# Altium PCB FOC_CONTROL_BOARD_v5.PcbDoc (part 1 of 2)
Units mm, origin at the board's own origin, x right, y up, seen from the top; angles counter-clockwise.
Board outline 94 x 100 mm, 4 copper layers (Top Layer, GND, VCC, Bottom Layer), stack 0.568 mm thick; 137 components, 99 nets, 473 pads, 547 vias.
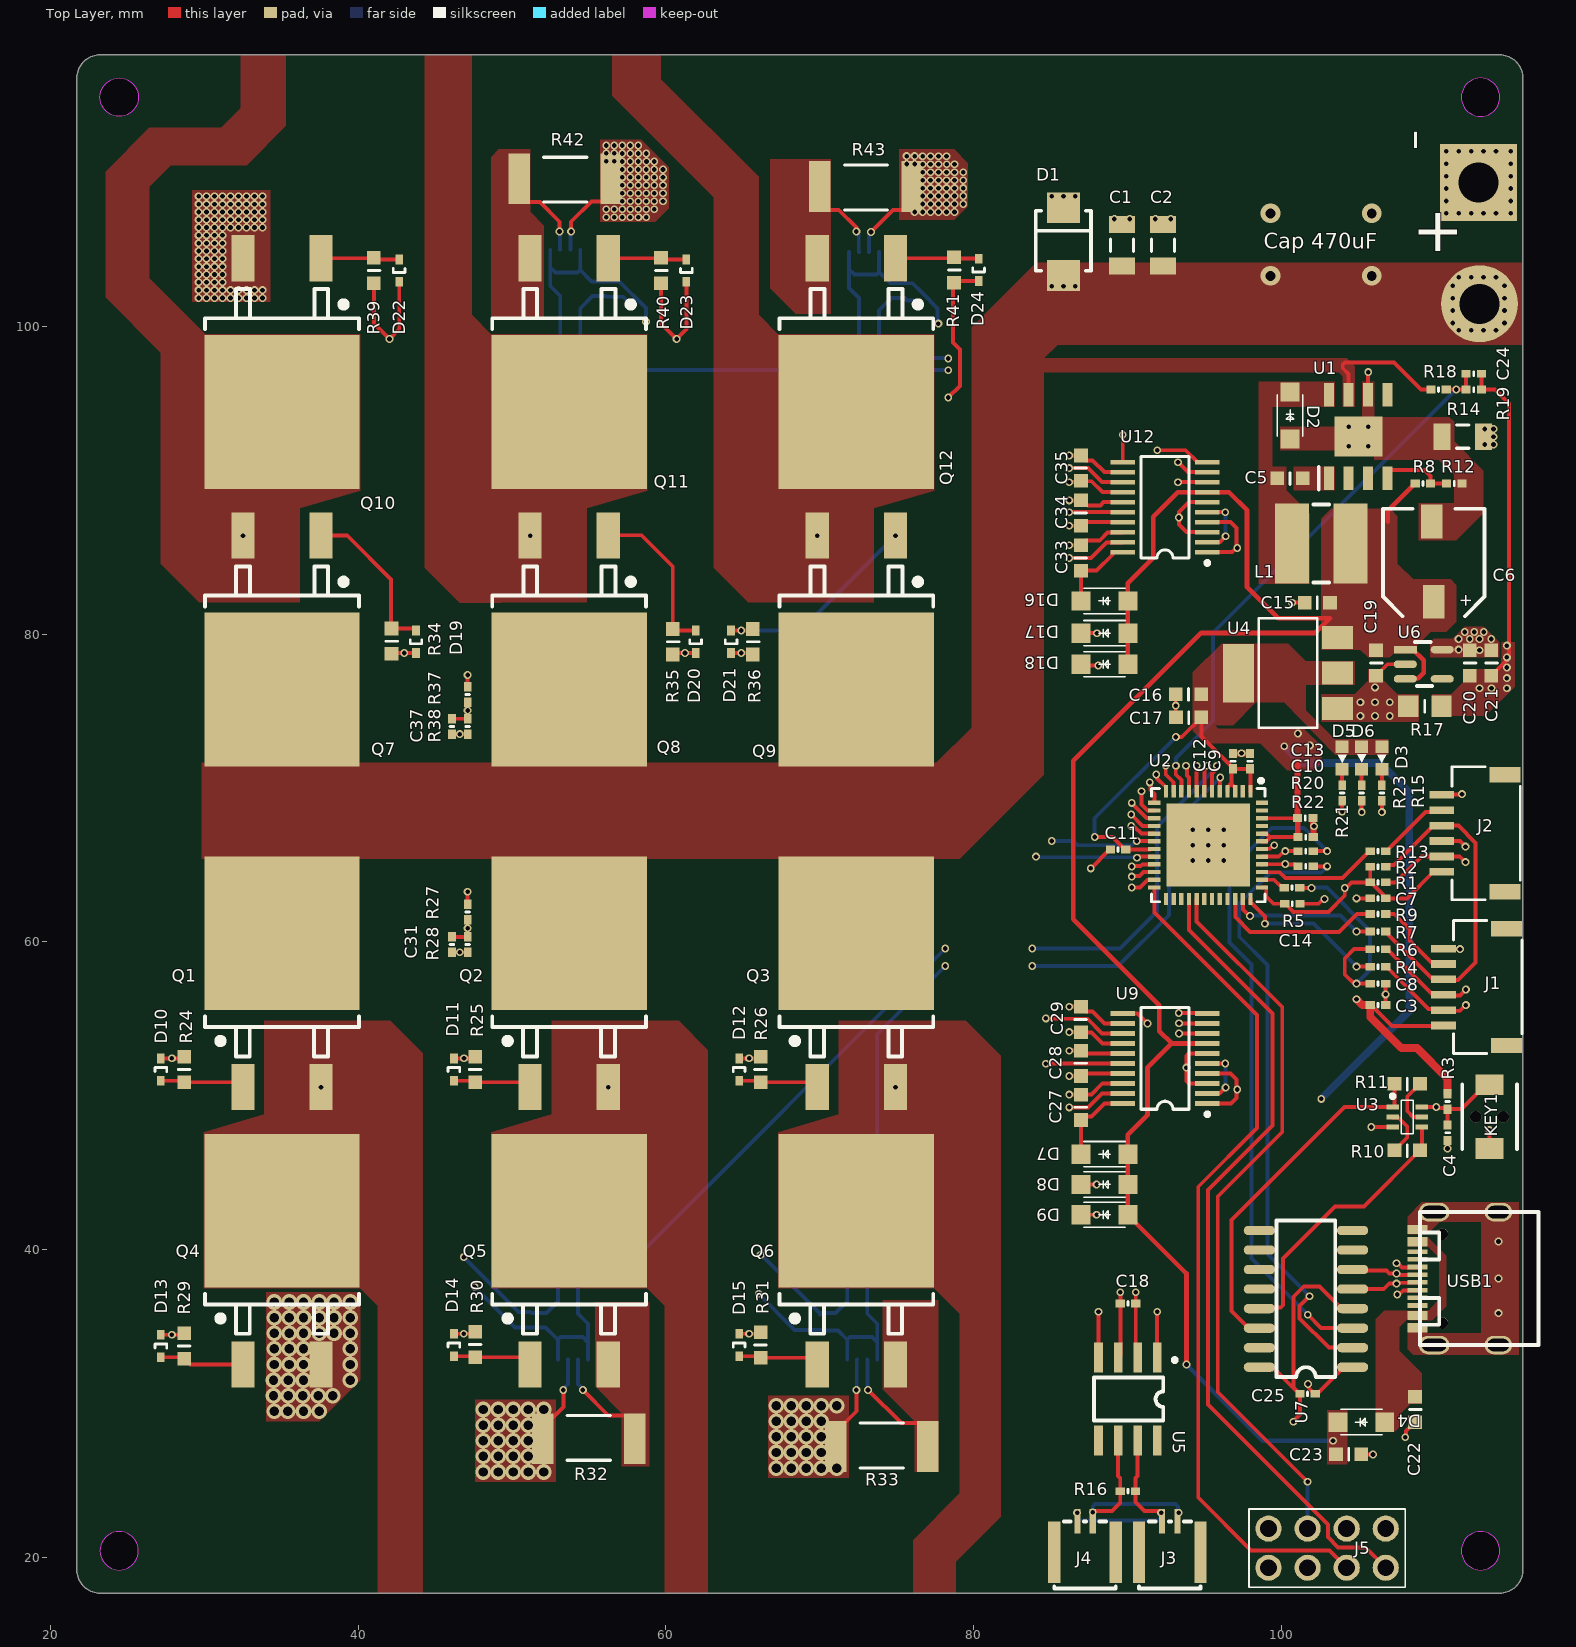
[diagram p0: Top Layer view]
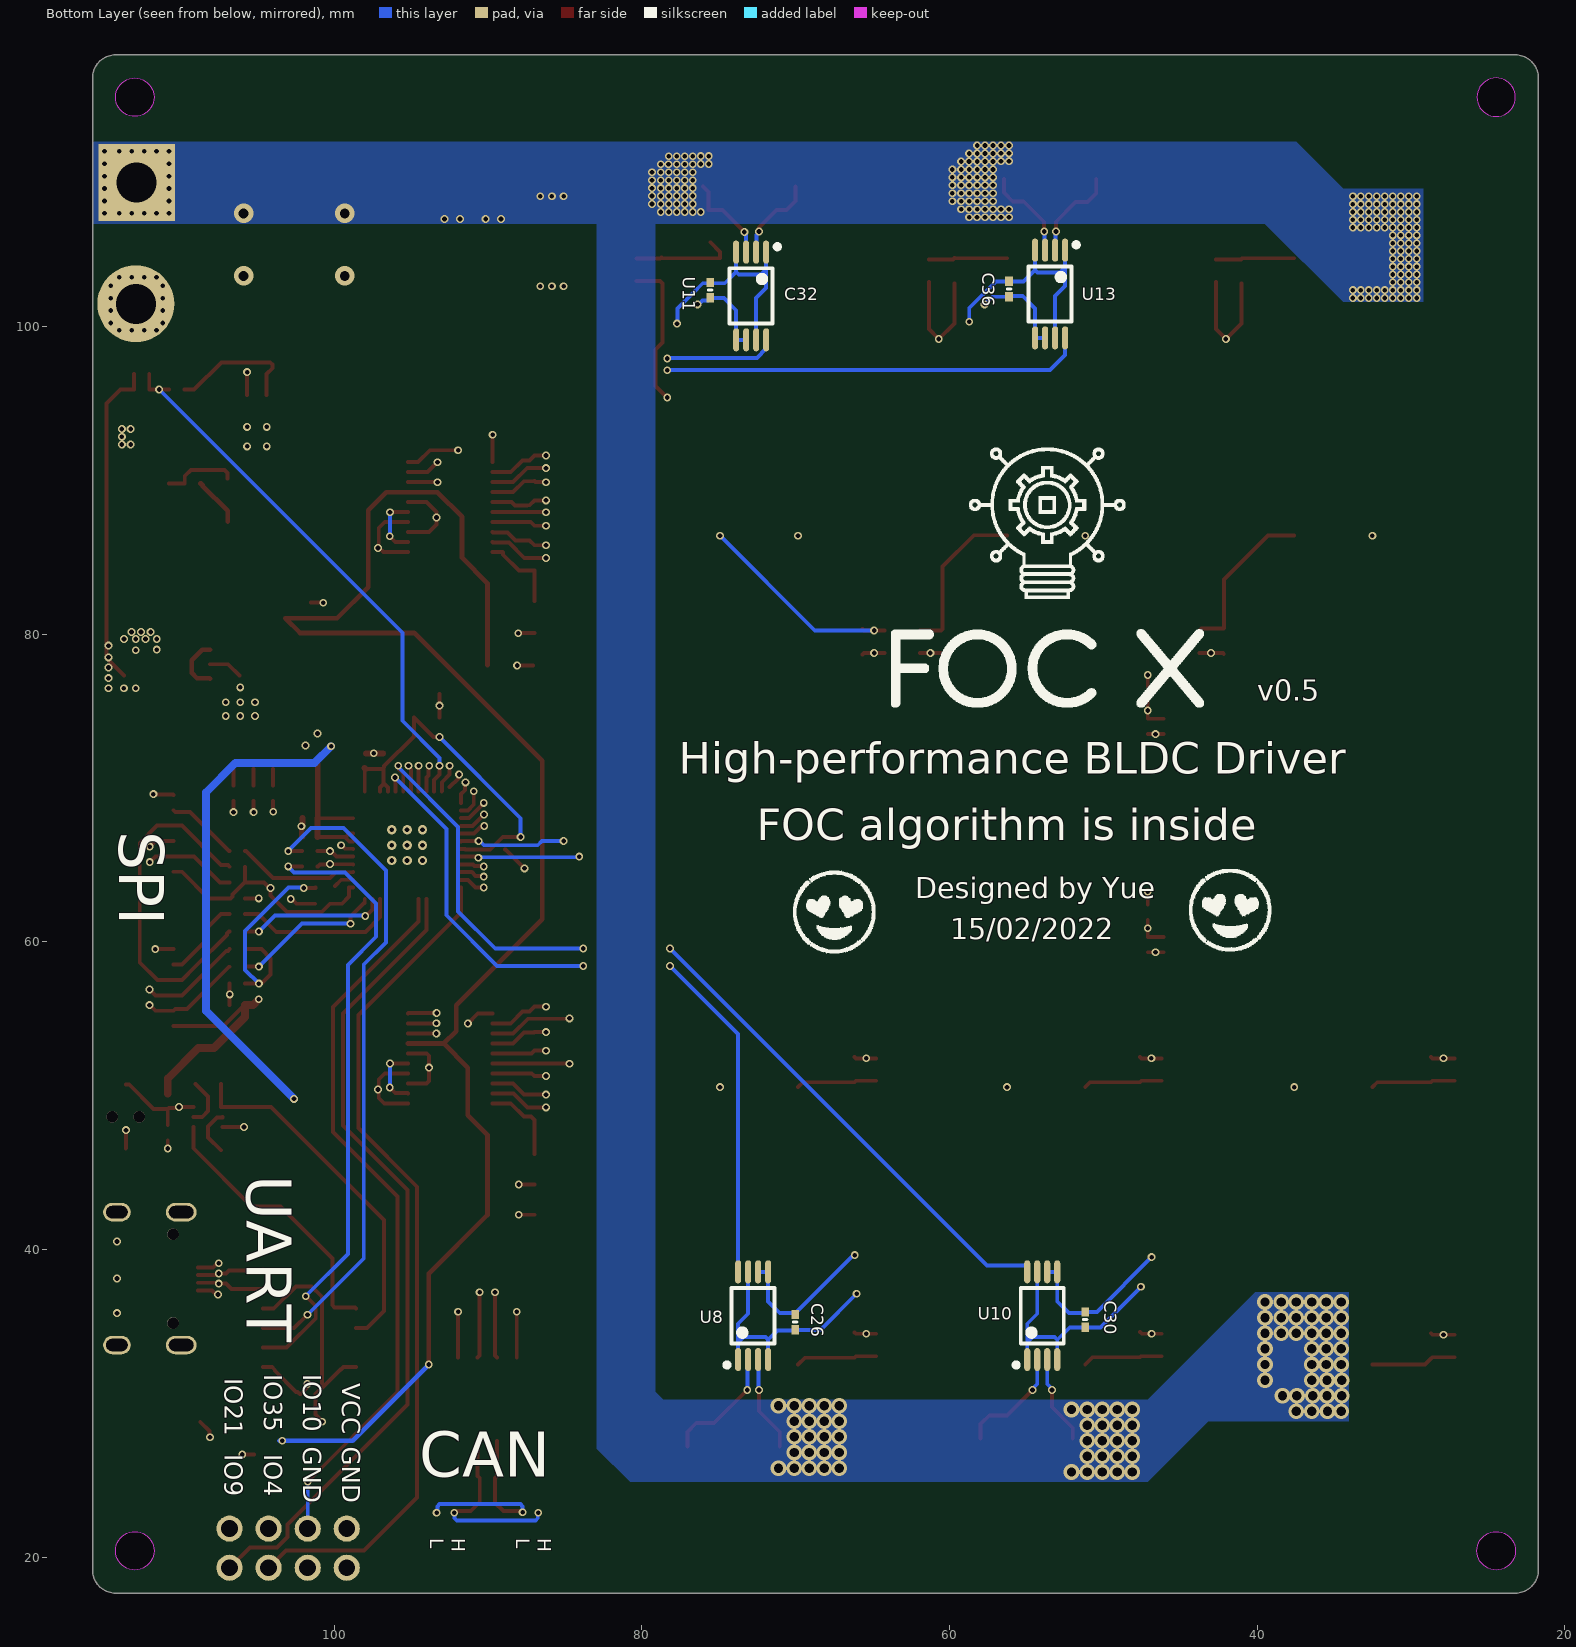
[diagram p1: Bottom Layer view, seen from below]
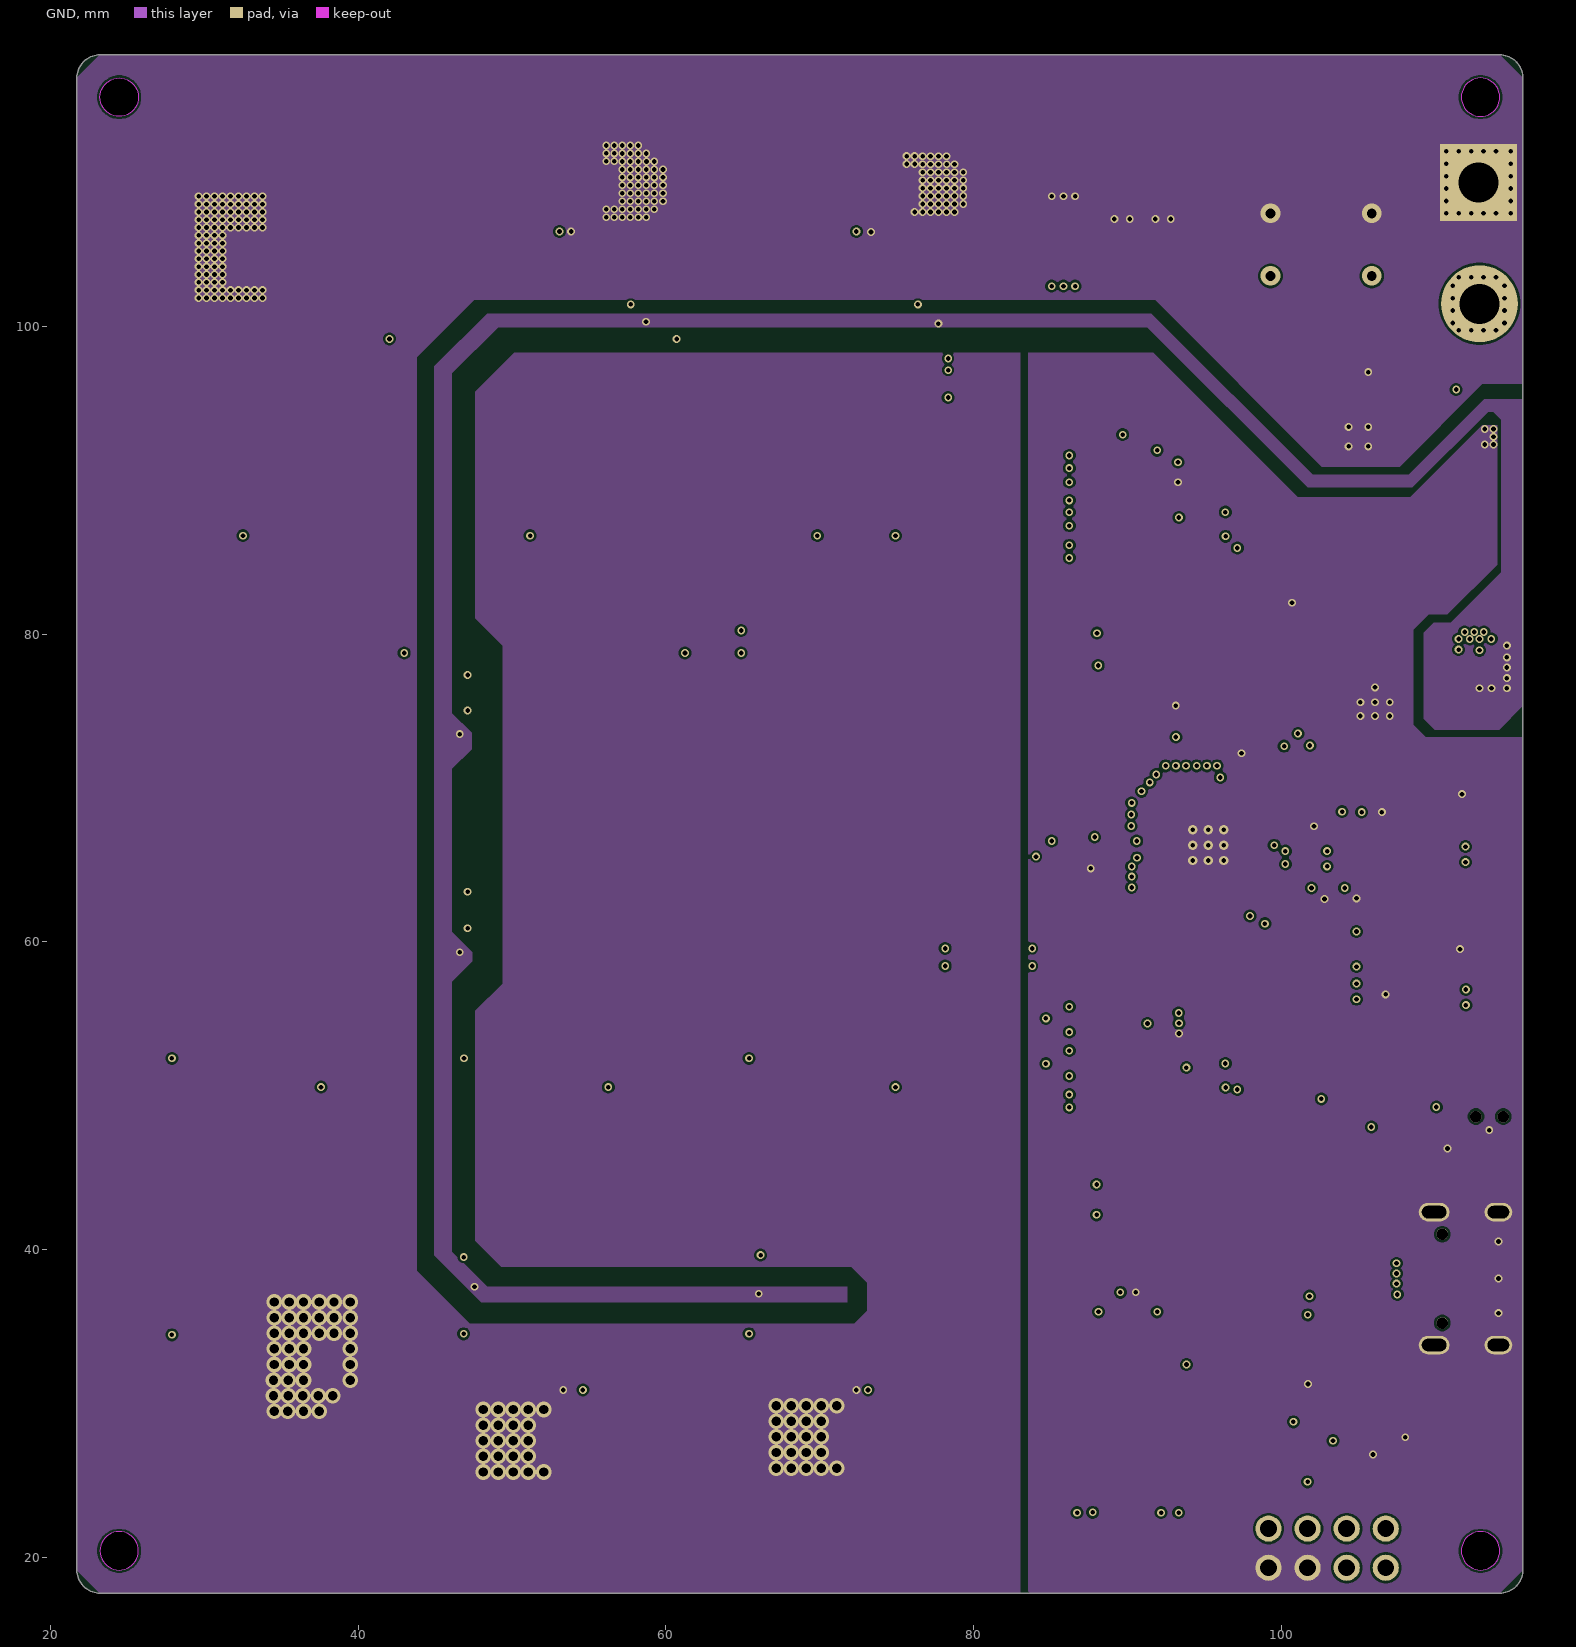
[diagram p2: GND]
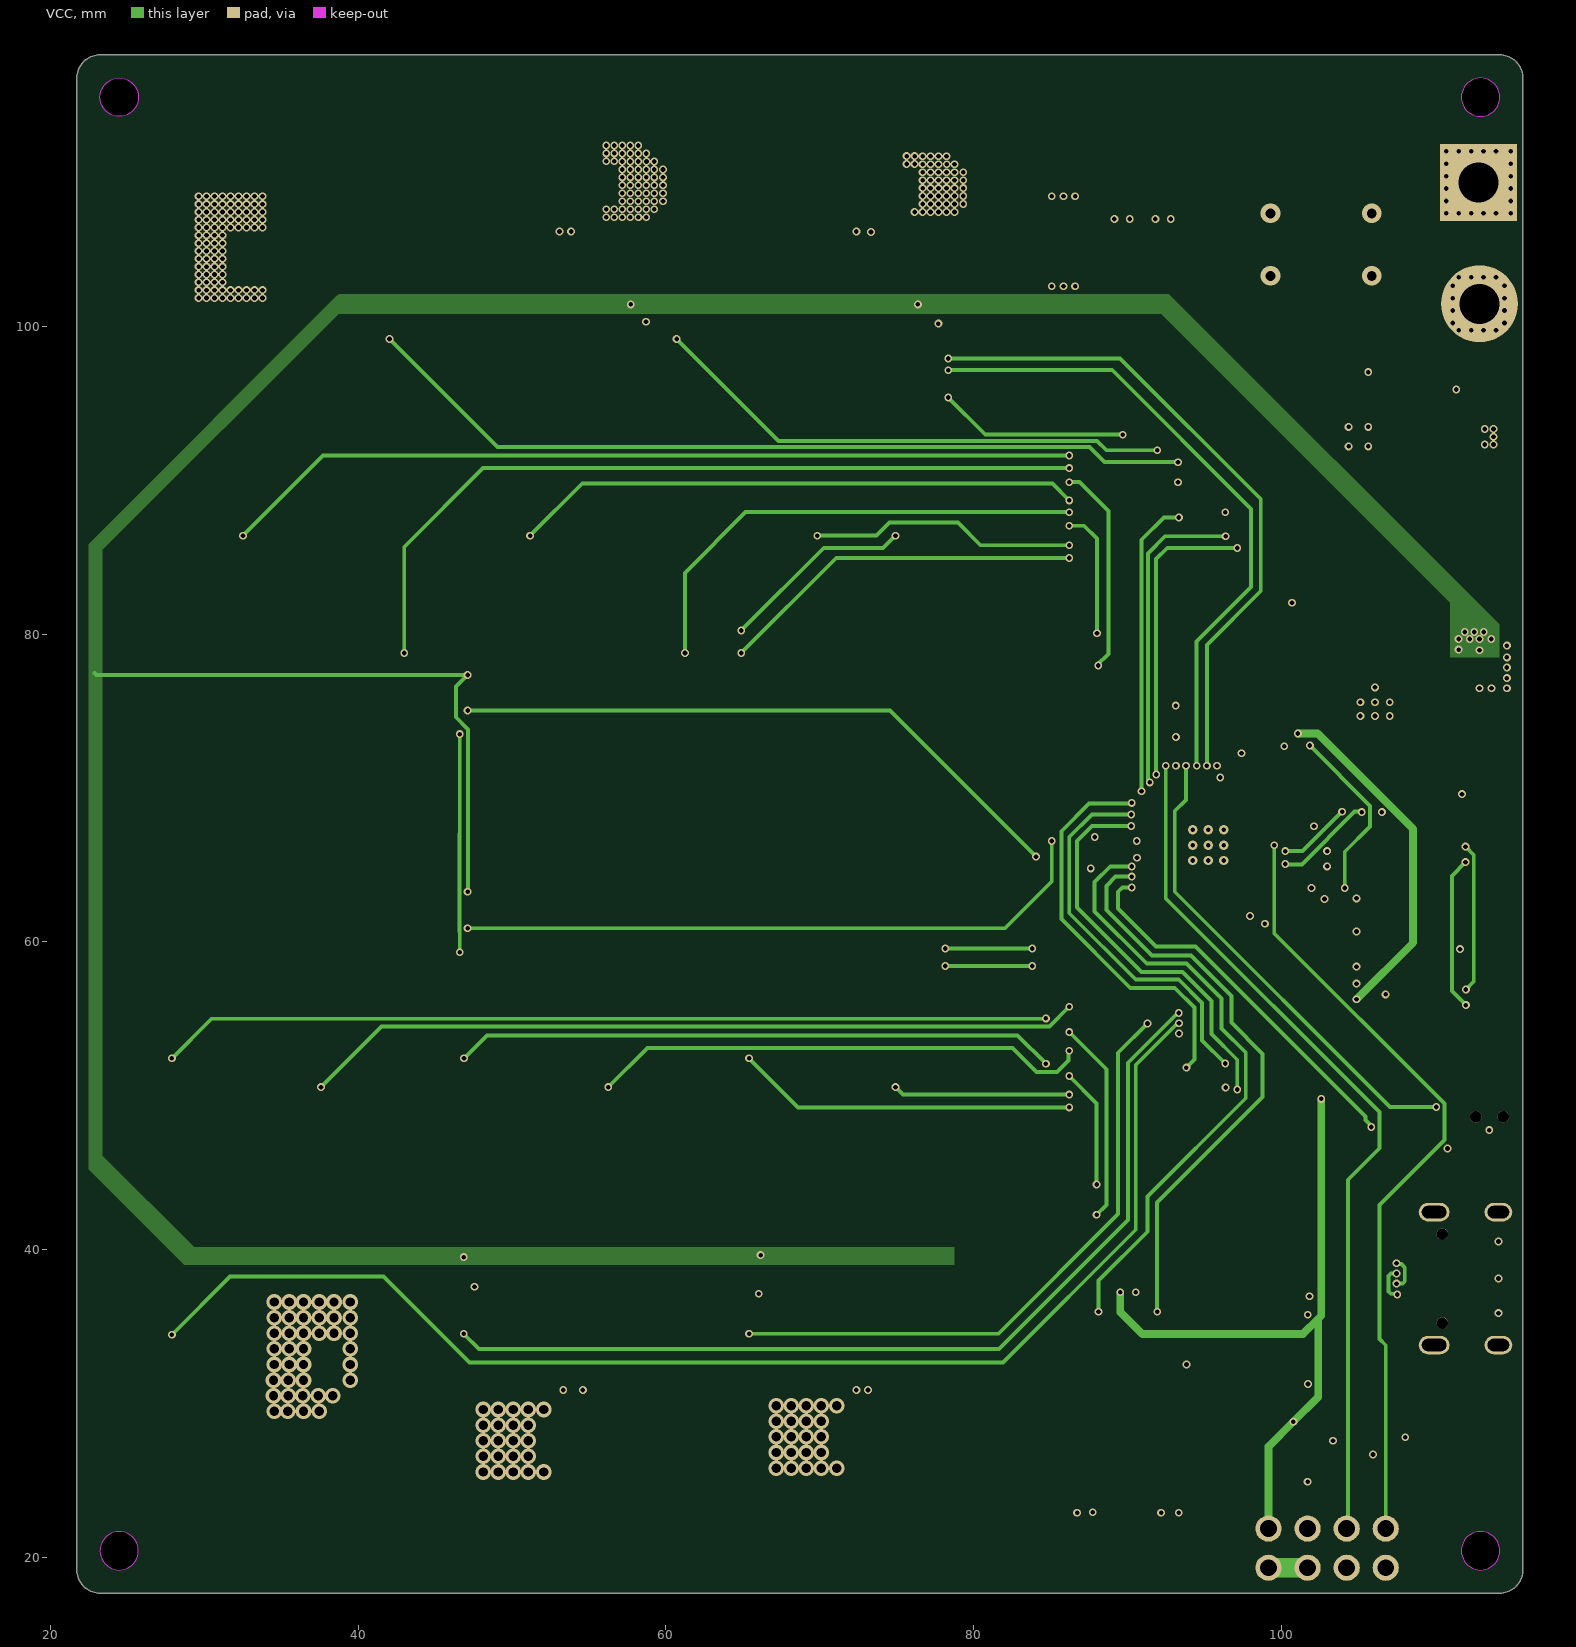
[diagram p3: VCC]
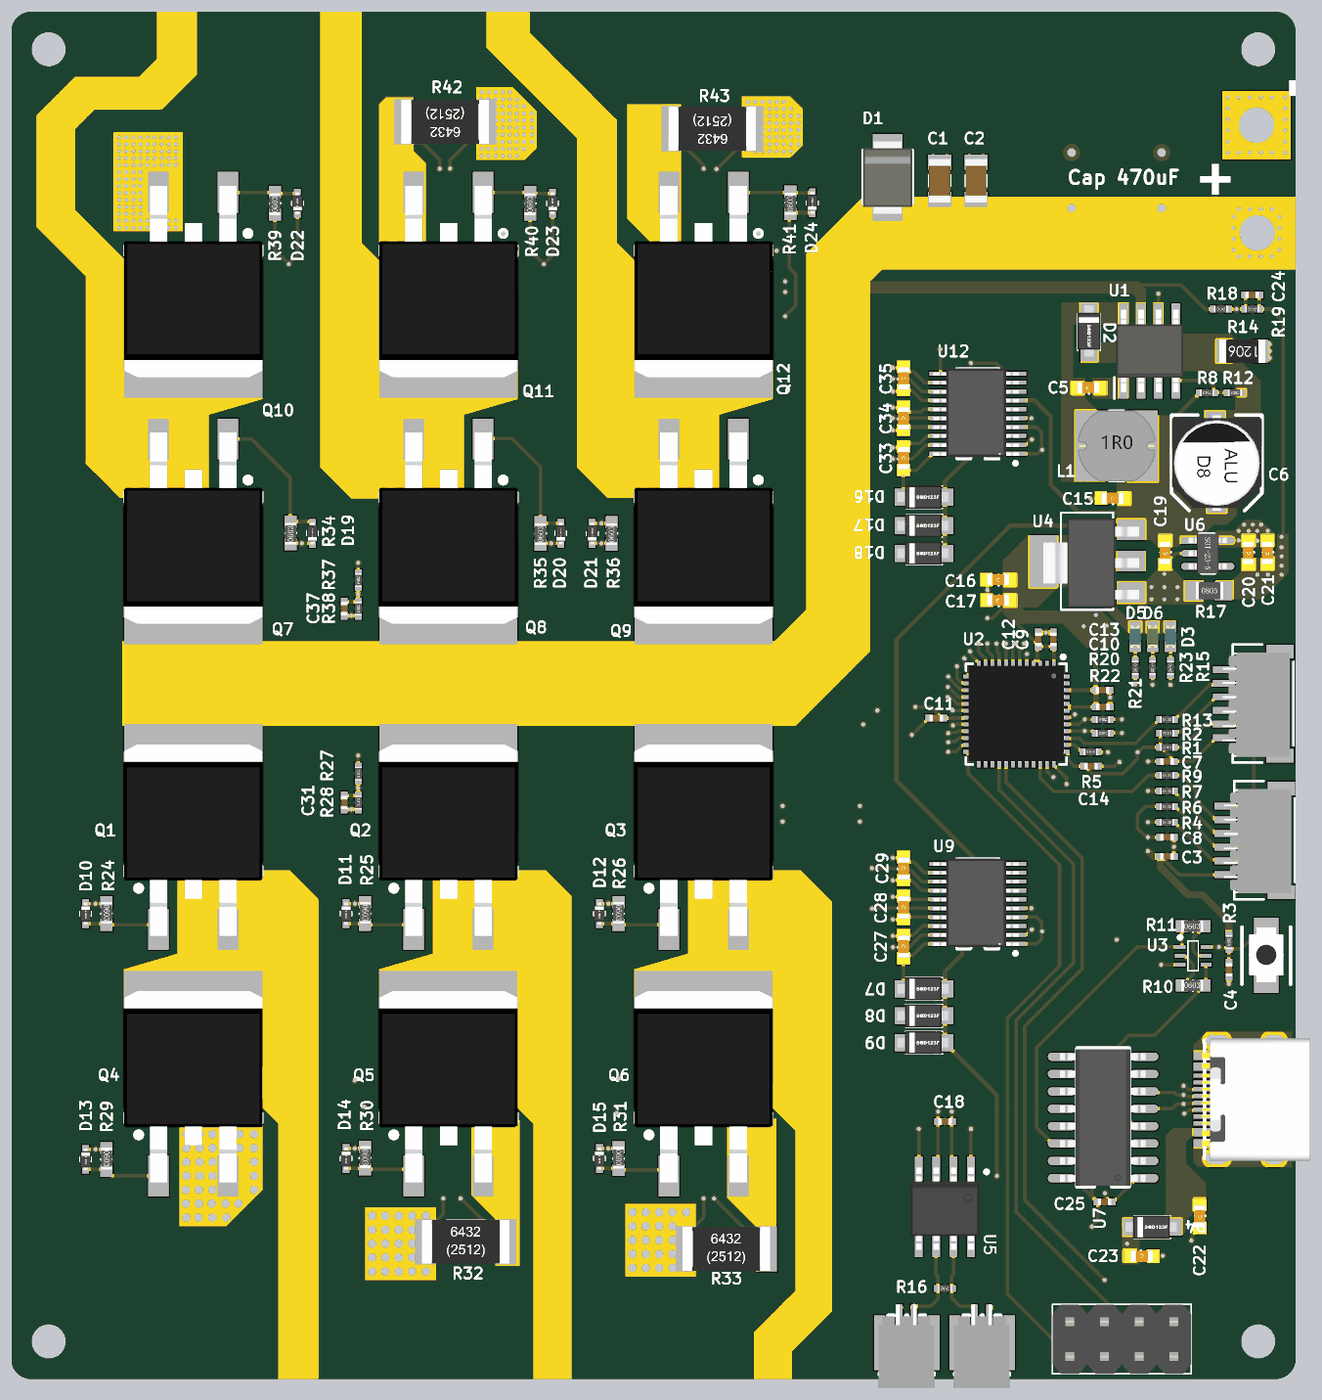
[diagram p5: 3D render of the assembled board from above, using the file's embedded part models]
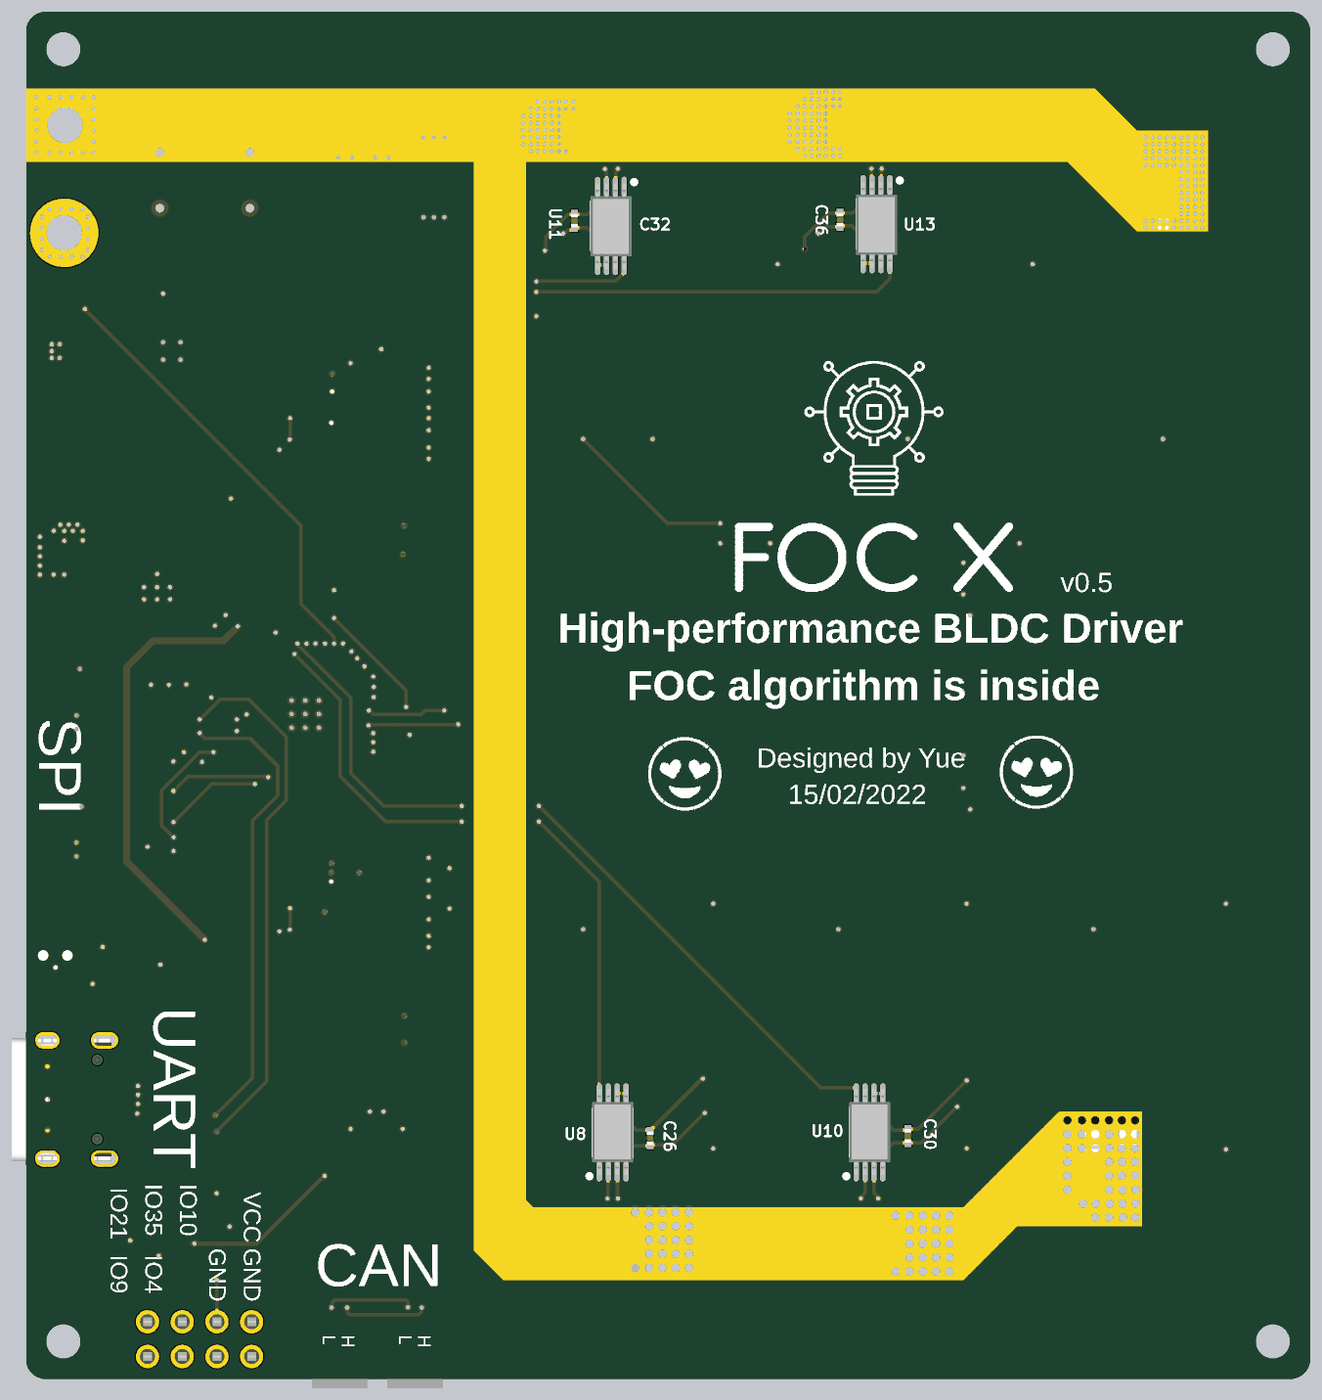
[diagram p6: 3D render of the assembled board from below, using the file's embedded part models]

## Layer stack, top to bottom
Top Solder: solder mask 0.0102, Solder Resist, Dk 3.5
Top Layer: signal copper 0.0356
Dielectric 2: prepreg 0.0711, PP-006, Dk 4.1
GND: signal copper 0.0175
Dielectric 1: dielectric 0.32, FR-4, Dk 4.8
VCC: signal copper 0.0175
Dielectric 3: prepreg 0.0711, PP-006, Dk 4.1
Bottom Layer: signal copper 0.0356
Bottom Solder: solder mask 0.0102, Solder Resist, Dk 3.5

## Board outline
21.717,19.153 ccw(c23.217,19.153) 23.217,17.653 114.217,17.653 ccw(c114.217,19.153) 115.717,19.153 115.717,116.153 ccw(c114.217,116.153) 114.217,117.653 23.217,117.653 ccw(c23.217,116.153) 21.717,116.153
cut-out: 23.217,20.403 ccw(c24.467,20.403) 24.467,19.153 ccw(c24.467,20.403) 25.717,20.403 ccw(c24.467,20.403) 24.467,21.653 ccw(c24.467,20.403)
cut-out: 111.717,20.403 ccw(c112.967,20.403) 112.967,19.153 ccw(c112.967,20.403) 114.217,20.403 ccw(c112.967,20.403) 112.967,21.653 ccw(c112.967,20.403)
cut-out: 111.717,114.903 ccw(c112.967,114.903) 112.967,113.653 ccw(c112.967,114.903) 114.217,114.903 ccw(c112.967,114.903) 112.967,116.153 ccw(c112.967,114.903)
cut-out: 24.467,113.653 cw(c24.467,114.903) 23.217,114.903 cw(c24.467,114.903) 24.467,116.153 cw(c24.467,114.903) 25.717,114.903 cw(c24.467,114.903)

## Design rules (kind name [scope] priority, off if disabled: settings)
Clearance [All] p1: gap=0.152 ignorepadtopadclearanceinfootprint=FALSE
DiffPairsRouting [All] p1: maxlimit=0.254 minlimit=0.152 mostfreqgap=0.152 toplayer_minwidth=0.152 toplayer_maxwidth=0.381 toplayer_prefwidth=0.152 midlayer1_minwidth=0.152 midlayer1_maxwidth=0.381 midlayer1_prefwidth=0.152 midlayer2_minwidth=0.152 midlayer2_maxwidth=0.381 midlayer2_prefwidth=0.152 bottomlayer_minwidth=0.152 bottomlayer_maxwidth=0.381 bottomlayer_prefwidth=0.152 maxuncoupledlength=12.7
HoleToHoleClearance [All] p1: gap=0.152 allowstackedmicrovias=TRUE
MinimumSolderMaskSliver [All] p1: minsoldermaskwidth=0.051
PolygonConnect [All] p1: connectstyle=Direct reliefconductorwidth=0.254 reliefentries=4 polygonreliefangle="90 Angle" airgapwidth=0.254
RoutingVias [All] p1: holewidth=0.305 width=0.508 viastyle="Through Hole" minholewidth=0.305 minwidth=0.508 maxholewidth=0.711 maxwidth=1.27
SilkToSilkClearance [All] p1 off: silktosilkclearance=0.254
SilkToSolderMaskClearance [IsPad] p1 off: minsilkscreentomaskgap=0 clearancetoexposedcopper=TRUE
SolderMaskExpansion [All] p1: expansion=0.102 istentingtop=FALSE
Width [All] p1: maxlimit=7.62 minlimit=0.152 preferedwidth=0.152
25 further rules are at their usual default settings.

## Classes and differential pairs
component class Motor2: C32 C33 C34 C35 C36 C37 D16 D17 D18 D19 D20 D21 D22 D23 D24 Q7 Q8 Q9 Q10 Q11 Q12 R34 R35 R36 R37 R38 R39 R40 R41 R42 R43 U11 U12 U13
component class Motor1: C26 C27 C28 C29 C30 C31 D7 D8 D9 D10 D11 D12 D13 D14 D15 Q1 Q2 Q3 Q4 Q5 Q6 R24 R25 R26 R27 R28 R29 R30 R31 R32 R33 U8 U9 U10
component class main: C1 C2 C3 C4 C5 C6 C7 C8 C9 C10 C11 C12 C13 C14 C15 C16 C17 C18 C19 C20 C21 C22 C23 C24 C25 D1 D2 D3 D4 D5 D6 J2 J3 J4 J5 KEY1 L1 R1 R2 R3 R4 R5 R6 R7 R8 R9 R10 R11 R12 R13 R14 R15 R16 R17 R18 R19 R20 R21 R22 R23 U1 U2 U3 U4 U5 U6 U7 USB1
